# KiCad board hat_template.kicad_pcb
title: afterglow 3.0 Hat; date: 2024; rev: 1.0; company: bitfield labs
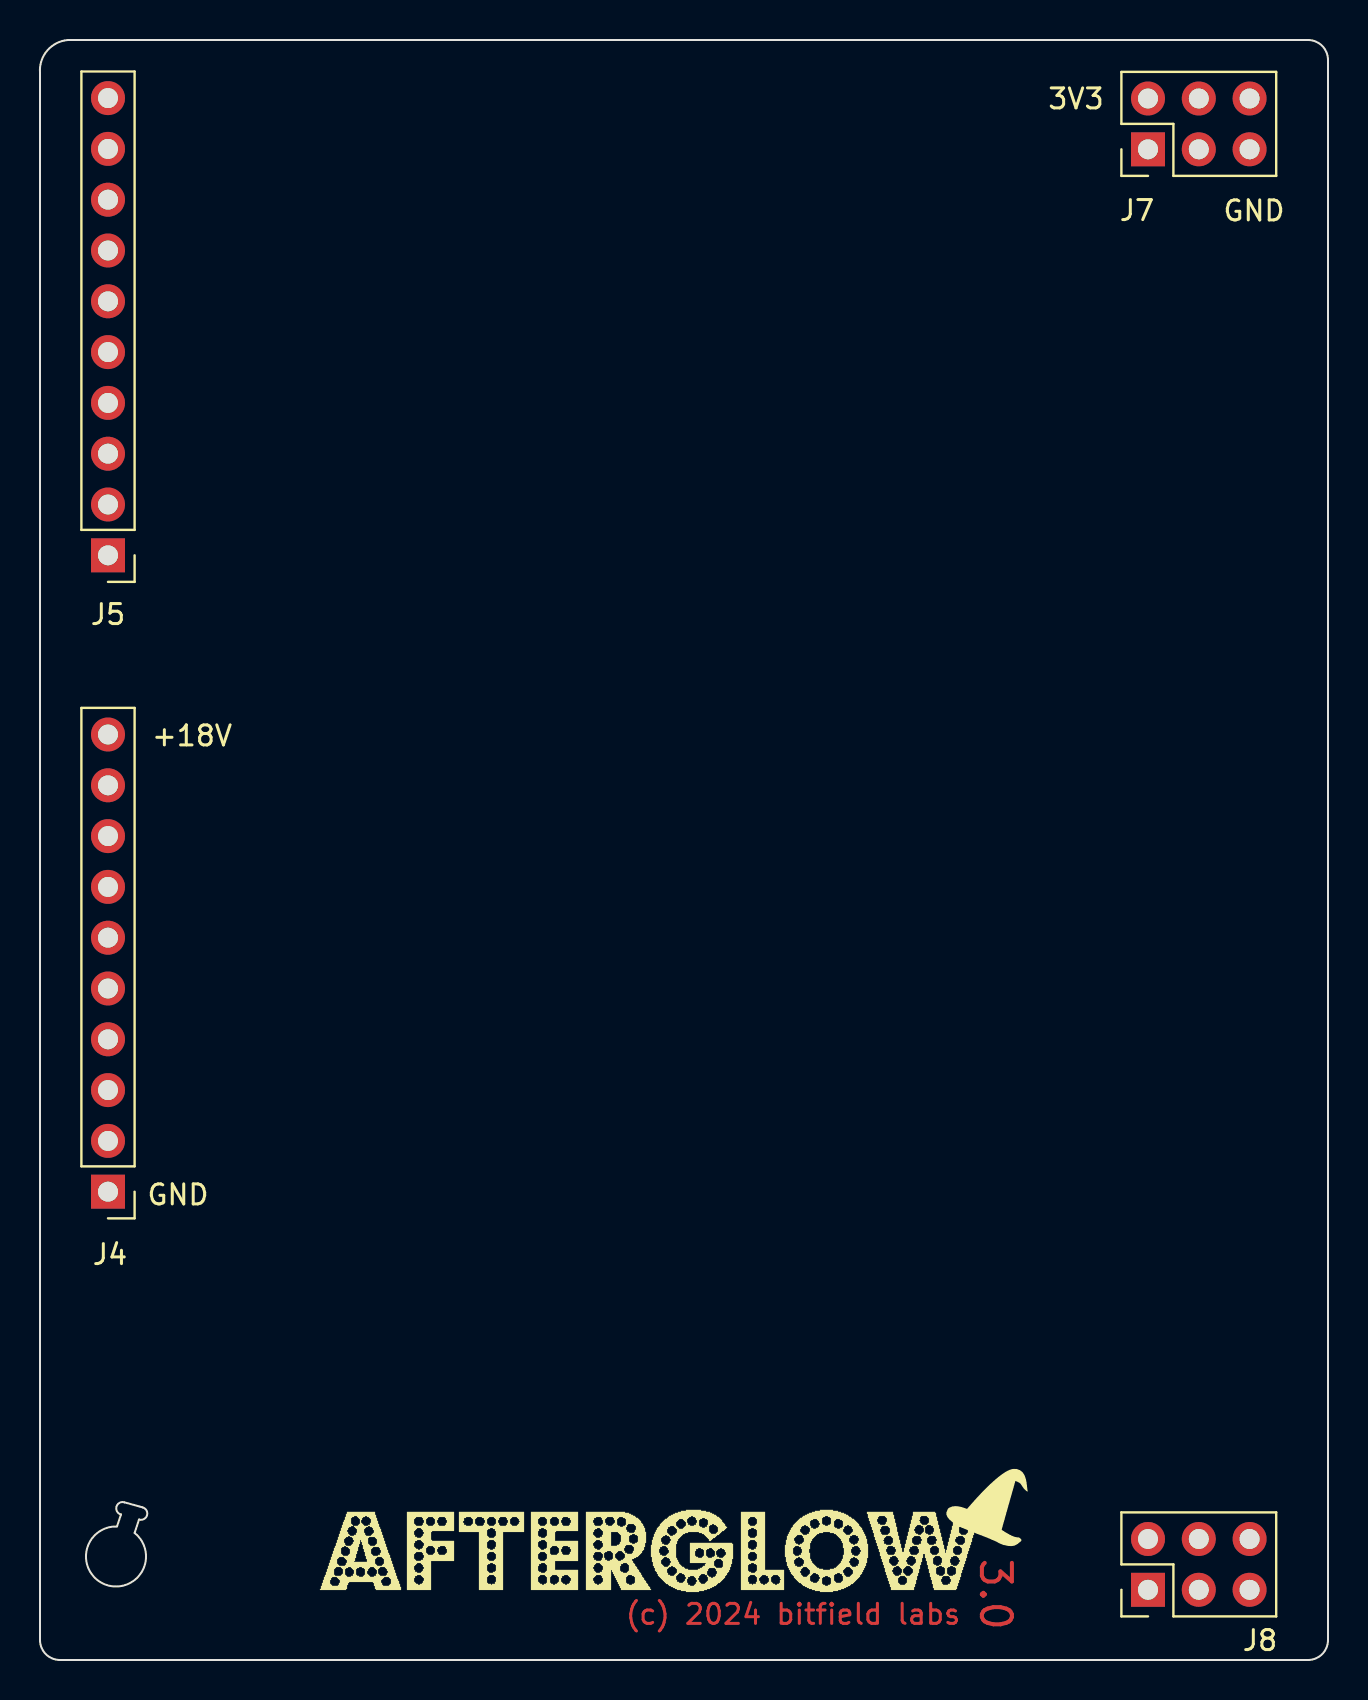
[diagram p0: board, top side]
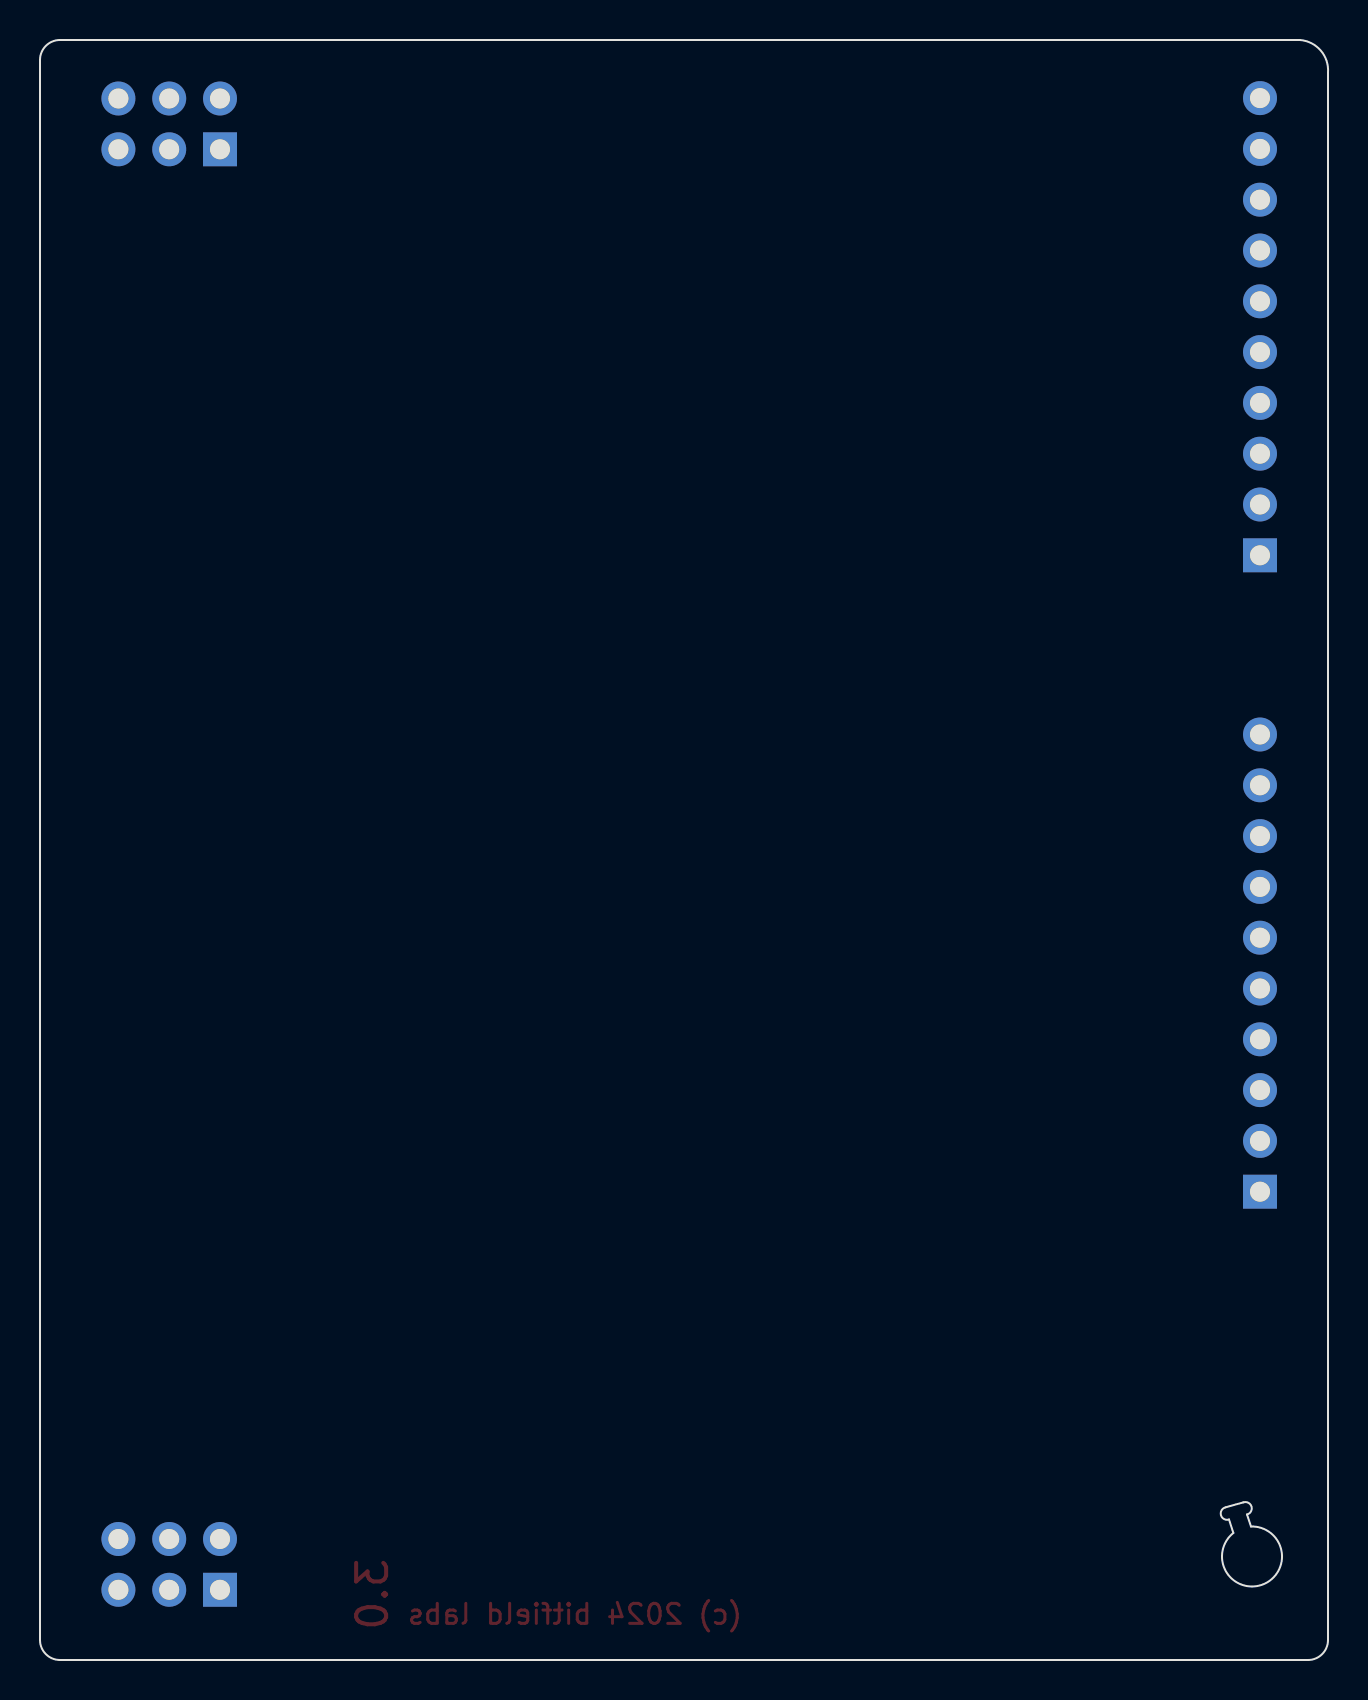
[diagram p1: board, bottom side, seen from below]

Outline 64.4 x 81 mm; copper layers: Top, Bottom. Coordinates in mm from the lower left corner of the outline.
Outline path: 4.95,7.03 4.73,6.35 arc(3.28,3.77) 3.85,6.68 4.05,7.28 arc(3.82,7.67) 4.23,7.88 5.13,7.63 arc(5.35,7.24) 4.95,7.03 ; 0,79.37 arc(0.37,80.48) 1.41,81 63.4,81 arc(64.11,80.71) 64.4,80 64.4,1 arc(64.11,0.29) 63.4,0 1,0 arc(0.29,0.29) 0,1 0,79.37
Stack: Top 0.035mm / dielectric 1.51mm FR4 er 4.5 / Bottom 0.035mm

## Placement (name value [footprint] x y rotation side)
afterglow  -  [afterglow]  14 7.5 0 top
G***  LOGO  [hat]  47.72 7.97 338 top
J4  Conn_01x10_Pin  [PinHeader_1x10_P2.54mm_Vertical]  3.4 23.42 180 top
J5  Conn_01x10_Pin  [PinHeader_1x10_P2.54mm_Vertical]  3.4 55.24 180 top
J7  Conn_02x03_Odd_Even  [PinHeader_2x03_P2.54mm_Vertical]  55.4 75.54 90 top
J8  Conn_02x03_Odd_Even  [PinHeader_2x03_P2.54mm_Vertical]  55.4 3.51 90 top

## Library data of the parts
J4 J5 = -: ki_fp_filters: Connector*:*_1x??_*
J7 J8 = -: JLCPCB: C92272; ki_fp_filters: Connector*:*_2x??_*

## Footprints (pads in the part's own frame, mm; a bottom-side part is the same pattern mirrored in y, then rotated)
PinHeader_1x10_P2.54mm_Vertical
  rect 1.7x1.7 hole 1: 1(0,0)
  oval 1.7x1.7 hole 1: 2(0,-2.54) 3(0,-5.08) 4(0,-7.62) 5(0,-10.16) 6(0,-12.7) 7(0,-15.24) 8(0,-17.78) 9(0,-20.32) 10(0,-22.86)
PinHeader_2x03_P2.54mm_Vertical
  rect 1.7x1.7 hole 1: 1(0,0)
  oval 1.7x1.7 hole 1: 2(2.54,0) 3(0,-2.54) 4(2.54,-2.54) 5(0,-5.08) 6(2.54,-5.08)

## Nets
/3V3: J7.1 J7.2
/18V: J4.10 J7.3 J7.4
GND: J4.1 J7.5 J7.6 J8.5
/D_SCL: J8.3
/D_SDA: J8.6
/MOS_CO1: J4.2
/MOS_CO2: J4.3
/MOS_CO3: J4.4
/MOS_CO4: J4.5
/MOS_CO5: J4.6
/MOS_CO6: J4.7
/MOS_CO7: J4.8
/MOS_CO8: J4.9
/MOS_RO1: J5.1
/MOS_RO2: J5.2
/MOS_RO3: J5.3
/MOS_RO4: J5.4
/MOS_RO5: J5.5
/MOS_RO6: J5.6
/MOS_RO7: J5.7
/MOS_RO8: J5.8
/MOS_RO9: J5.9
/MOS_RO10: J5.10
/OUT_CLK: J8.2
/OUT_DATA: J8.1
/OUT_LOAD: J8.4

## Text on the board
Top: (c) 2024 bitfield labs | 3.0
F.Mask: (c) 2024 bitfield labs | 3.0
F.Silkscreen: GND | +18V | 3V3
